# Altium PCB DevKITV3.PcbDoc (part 3 of 5) (continued)
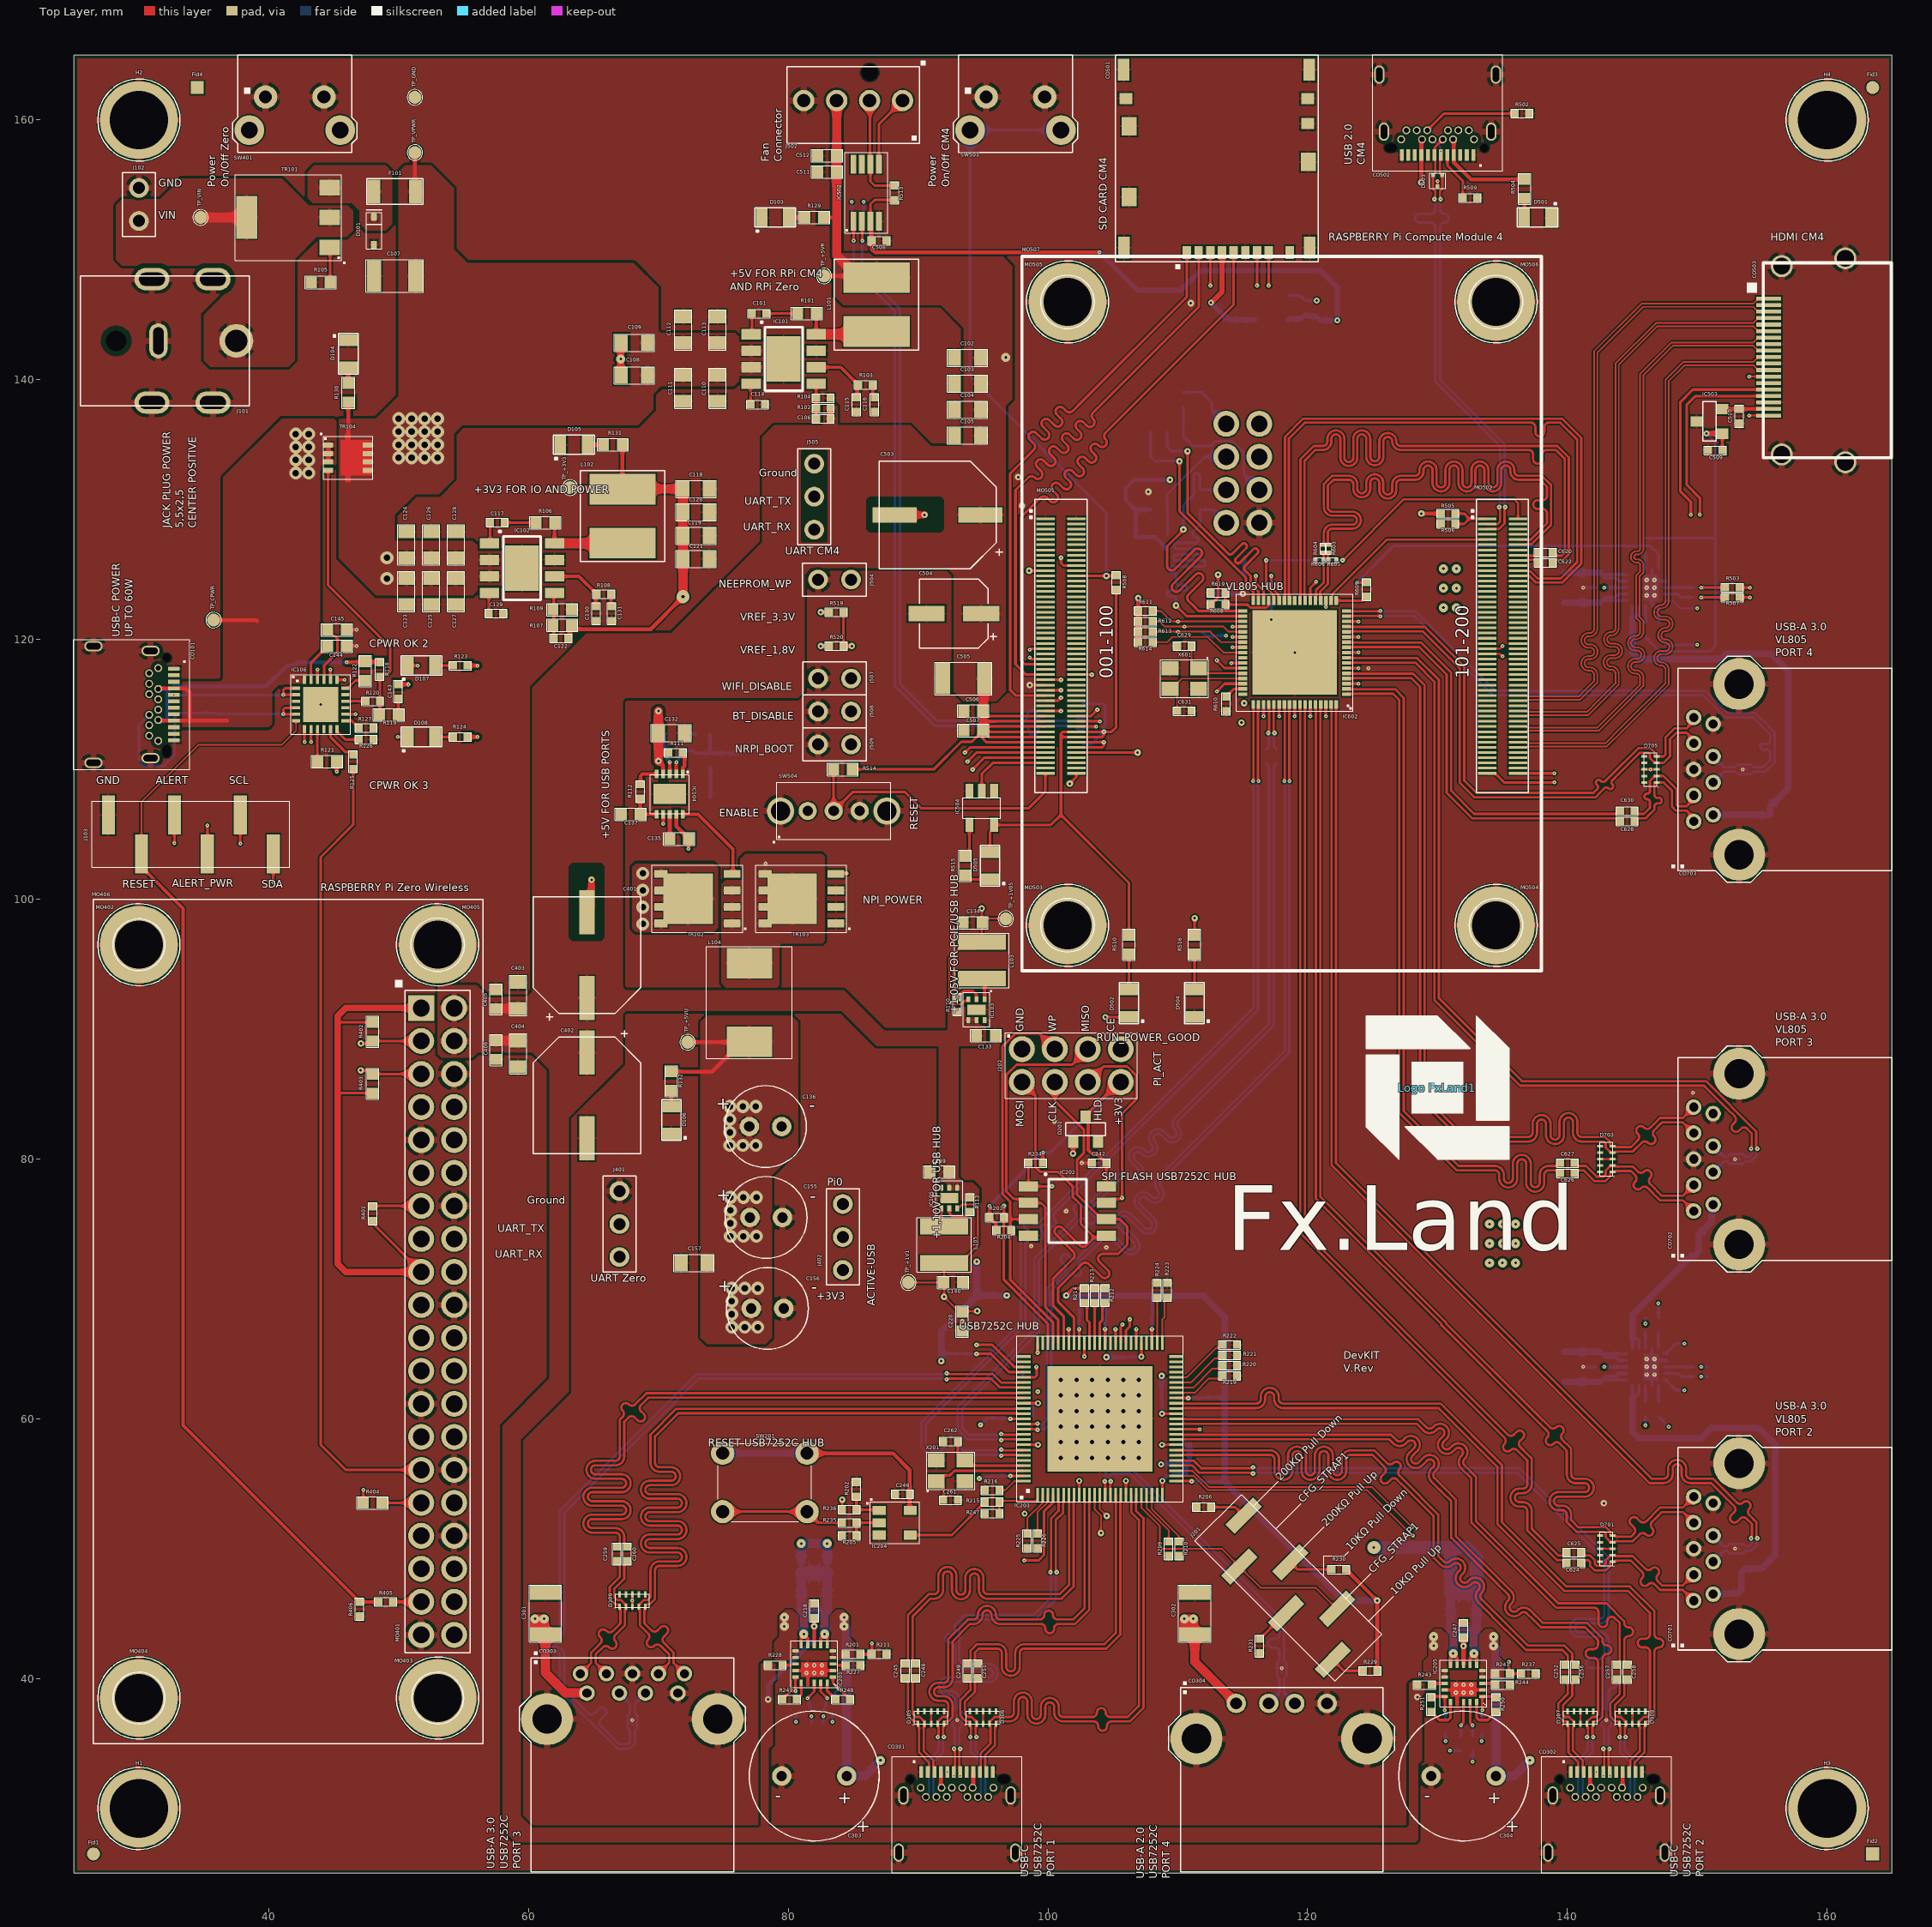
[diagram p0: Top Layer view]
## Nets (pads, with @x,y where several pads share a name; then routed paths per layer and width w, separated by ;. In a path a pad name is that pad's centre, name@x,y a point inside that pad or via, vN(x,y) a via of type N, cw(c..) or ccw(c..) an arc to the next point about the centre after c; other vN are vias at no path point) (continued)
NetIC106_11: IC106.11 R125.1 | length 2.9
  Top Layer w0.2: IC106.11@44.75,113.1 44.75,112.5 45.9,111.35 46.3,111.35 R125.1@46.5,111.15
NetIC106_12: IC106.12 R126.2 | length 2.1
  Top Layer w0.2: IC106.12@45.25,113.1 45.25,112.925 45.875,112.3 R126.2@46.95,112.3
NetIC106_13: IC106.13 R127.2 | length 1.3
  Top Layer w0.2: IC106.13@45.9,113.75 46.4,113.75 R127.2@46.95,113.2
NetIC106_16: IC106.16 R120.1 | length 1.6
  Top Layer w0.2: IC106.16@45.9,115.25 R120.1@47.45,115.25
NetIC106_18: IC106.18 R122.2 | length 1.8
  Top Layer w0.2: IC106.18@45.9,116.25 46.075,116.25 46.675,116.85 R122.2@47.425,116.85
NetIC201_13: IC201.13 R228.1 | length 1
  Top Layer w0.2: R228.1@79.55,41.025 80.15,41.025 80.225,41.1 80.525,41.1 IC201.13@80.55,41.125
NetIC201_18: IC201.18 R238.2 | length 2.4
  Top Layer w0.2: v1(81.5,38.5) 82,39 IC201.18@82,39.675
  Bottom Layer w0.2: v1(81.5,38.5) 81.5,38.473 81.6,38.373 81.6,37.85 R238.2@81.8,37.65
NetIC201_19: IC201.19 R240.2 | length 2.4
  Top Layer w0.2: IC201.19@82.5,39.675 82.5,39 v1(83,38.5)
  Bottom Layer w0.2: R240.2@82.7,37.65 82.9,37.85 82.9,38.373 83,38.473 v1(83,38.5)
NetIC203_1: IC203.1 R215.2 R247.2 | length 4.3
  Top Layer w0.127: R247.2@96.25,52.7 R215.2@96.25,53.6 96.338,53.688 99.163,53.688 99.2,53.725 IC203.1@99.2,54.15
NetIC203_63: IC203.63 R212.2 | length 3.3
  Top Layer w0.2: IC203.63@104,65.85 104,67.413 104.2,67.613 104.2,68.75 R212.2@104.4,68.95
NetIC203_64: IC203.64 R213.2 | length 3.1
  Top Layer w0.2: IC203.64@103.6,65.85 R213.2@103.6,68.95
NetIC203_65: IC203.65 R214.2 | length 3.3
  Top Layer w0.2: R214.2@102.8,68.95 103,68.75 103,67.613 103.2,67.413 IC203.65@103.2,65.85
NetIC203_100: IC203.100 R216.2 | length 2.2
  Top Layer w0.127: R216.2@96.25,54.5 96.7,54.5 97.4,55.2 IC203.100@98.15,55.2
NetIC204_1: IC204.1 R202.2 R236.1 | length 2.8
  Top Layer w0.2: R202.2@85.25,54.025 R236.1@85.25,53 86.95,53 IC204.1@87,52.95
NetIC204_2: IC204.2 R205.2 R235.1 | length 2.8
  Top Layer w0.2: R205.2@85.25,51 R235.1@85.25,52 IC204.2@87,52
NetIC204_4: IC204.4 R215.1 | length 6.8
  Top Layer w0.2: IC204.4@89.4,51.05 92.6,51.05 R215.1@95.15,53.6
NetIC205_13: IC205.13 R243.1 | length 1
  Top Layer w0.2: R243.1@129.55,39.525 129.65,39.625 IC205.13@130.55,39.625
NetIC205_18: IC205.18 R245.2 | length 2.7
  Top Layer w0.2: v1(131.8,36.4) 131.8,36.427 132,36.627 IC205.18@132,38.175
  Bottom Layer w0.2: R245.2@131.8,35.55 v1(131.8,36.4)
NetIC205_19: IC205.19 R246.2 | length 2.7
  Top Layer w0.2: IC205.19@132.5,38.175 132.5,36.627 132.7,36.427 v1(132.7,36.4)
  Bottom Layer w0.2: R246.2@132.7,35.55 v1(132.7,36.4)
NetIC502_5: IC502.5 J502.1 | length 5.7
  Top Layer w0.2: IC502.5@86.975,156.6 86.975,159.665 J502.1@88.81,161.5
NetIC502_6: IC502.6 J502.2 R513.1 | length 8.3
  Top Layer w0.2: J502.2@86.27,161.5 86.298,161.472 86.298,156.628 IC502.6@86.325,156.6 86.325,155.275 86.65,154.95 R513.1@88.2,154.95
NetIC504_4: IC504.4 R515.1 | length 2.6
  Top Layer w0.2: R515.1@93.63,103.31 93.95,103.63 IC504.4@93.95,105.73
NetIC602_18: IC602.18 R609.2 | length 2.4
  Top Layer w0.2: IC602.18@122.2,123 124.225,123 R609.2@124.525,123.3
NetIC602_31: IC602.31 R608.1 R619.2 | length 4.8
  Top Layer w0.2: R619.2@113.65,123.6 R608.1@113.65,122.7 115.332,122.7 115.577,122.455 116.823,122.455 116.96,122.592 116.96,122.96 IC602.31@117,123
NetIC602_43: IC602.43 R614.2 | length 7.6
  Top Layer w0.125: R614.2@108.05,119.8 109.175,119.8 109.575,120.2 112.3,120.2 113.5,119 IC602.43@115,119
NetIC602_50: IC602.50 R610.2 | length 1.5
  Top Layer w0.2: R610.2@113.725,115.6 114.325,116.2 IC602.50@115,116.2
NetIC603_3: IC603.3 R625.2 | length 1.3
  Bottom Layer w0.21: R625.2@146,61.3 IC603.3@146,62.55
NetIC603_13: IC603.13 R623.1 | length 1.3
  Bottom Layer w0.2: IC603.13@146,65.45 R623.1@146,66.7
NetIC603_18: IC603.18 R617.2 | length 2.3
  Bottom Layer w0.21: IC603.18@147.45,64 R617.2@149.7,64
NetIC603_19: IC603.19 R620.2 | length 2.4
  Bottom Layer w0.21: IC603.19@147.45,63.5 148.522,63.5 148.772,63.25 R620.2@149.7,63.25
NetIC604_3: IC604.3 R626.2 | length 1.3
  Bottom Layer w0.21: R626.2@146,121.3 IC604.3@146,122.55
NetIC604_13: IC604.13 R624.1 | length 1.3
  Bottom Layer w0.2: IC604.13@146,125.45 R624.1@146,126.7
NetIC604_18: IC604.18 R618.2 | length 2.3
  Bottom Layer w0.21: IC604.18@147.45,124 R618.2@149.7,124
NetIC604_19: IC604.19 R622.2 | length 2.4
  Bottom Layer w0.21: IC604.19@147.45,123.5 148.522,123.5 148.772,123.25 R622.2@149.7,123.25
NetJ201_1: J201.1 R229.1 | length 2.7
  Top Layer w0.2: J201.1@121.929,41.449 122.779,40.6 R229.1@124.25,40.6
NetJ201_3: J201.3 R231.2 | length 2.9
  Top Layer w0.2: R231.2@116.3,43.05 118.291,45.041 J201.3@118.337,45.041
NetJ201_4: J201.4 R230.2 | length 3.4
  Top Layer w0.2: J201.4@118.663,48.959 119.221,48.4 R230.2@121.85,48.4
NetJ201_6: J201.6 R206.1 | length 2.8
  Top Layer w0.2: R206.1@112.55,53.2 114.421,53.2 J201.6@115.071,52.551
NetMO401_37: MO401.37 R405.2 | length 2.2
  Top Layer w0.25: R405.2@49.55,45.9 49.555,45.905 51.731,45.905 MO401.37@51.736,45.91
NetR105_2: R105.2 TR101.1 | length 2.7
  Top Layer w0.2: TR101.1@44.7,150.2 44.725,150.175 R105.2@44.725,147.5
NetR118_1: R118.1 R119.1 R120.2 TR104.4 | length 21.4
  Top Layer w0.2: TR104.4@44.575,133.025 44.575,124.175 49.35,119.4 49.35,117.55 49.15,117.35 48.75,117.35 R118.1@48.55,117.15 R120.2@48.55,115.25 48.55,114.225 R119.1@48.525,114.2
NetR235_2: R235.2 SW201.3 SW201.4 | length 9.6
  Top Layer w0.2: SW201.3@74.95,52.85 SW201.4@81.45,52.85 82.3,52 R235.2@84.15,52
NetR503_2: R503.2 R517.1 | length 104.3
  Top Layer w0.2: R503.2@153.25,124 v1(154.05,124)
  Layer 6 w0.2: v1(85.8,153.7) 86.2,154.1 100.8,154.1 106.2,148.7 131.46,148.7 132.235,149.475 152.765,149.475 158.2,144.04 158.2,125.8 156.4,124 156.262,124 155.707,124 cw(c155.707,124.227) 155.48,124.227 155.48,125.112 ccw(c155.253,125.112) 155.026,125.112 155.026,124.227 cw(c154.799,124.227) 154.799,124 154.453,124 v1(154.05,124)
  Bottom Layer w0.2: R517.1@85.8,152.95 v1(85.8,153.7)
NetR507_2: R507.2 R518.1 | length 104.3
  Top Layer w0.2: R507.2@153.25,123.25 v1(154.05,123.25)
  Layer 6 w0.2: v1(84.9,153.7) 85.625,154.425 100.935,154.425 106.335,149.025 131.325,149.025 132.1,149.8 152.9,149.8 158.525,144.175 158.525,125.665 156.11,123.25 v1(154.05,123.25)
  Bottom Layer w0.2: R518.1@84.9,152.95 v1(84.9,153.7)
NPI_LED_PWR: IC504.2 MO501.95 | length 6.6
  Top Layer w0.2: IC504.2@94.9,108.33 94.9,109.65 95.75,110.5 MO501.95@99.81,110.5
NRPI_BOOT: J509.2 MO501.93 | length 16.1
  Top Layer w0.2: v2(94.2,110) 95.1,110.9 MO501.93@99.81,110.9
  Layer 6 w0.2: J509.2@84.835,111.92 86.755,110 v2(94.2,110)
OTG_ID: MO502.101 R505.1 R506.2 | length 3.9
  Top Layer w0.2: R506.2@131.35,128.9 132.05,128.9 132.45,129.3 ; R505.1@131.35,129.7 132.05,129.7 132.45,129.3 ; MO502.101@133.81,129.3 132.45,129.3
PCIe_CLK_N: MO502.112 R604.1 | length 48
  Top Layer w0.182: R604.1@121.175,127.275 121.211,127.275 121.245,127.309 121.245,127.369 121.245,128.194 cw(c121.899,128.194) 121.899,128.848 123.44,128.848 ccw(c123.44,129.193) 123.44,129.538 121.899,129.538 cw(c121.899,130.192) 121.245,130.192 121.245,130.438 121.245,131.982 121.561,132.298 121.872,132.609 123.166,132.609 cw(c123.166,131.955) 123.82,131.955 123.82,131.607 ccw(c124.165,131.607) 124.51,131.607 124.51,132.07 cw(c125.164,132.07) 125.818,132.07 125.818,131.511 ccw(c126.163,131.511) 126.508,131.511 126.508,131.955 cw(c127.162,131.955) 127.162,132.609 127.407,132.609 128.263,132.609 ccw(c128.263,132.954) 128.608,132.954 128.608,133.05 cw(c129.262,133.05) 129.916,133.05 129.916,132.063 ccw(c130.261,132.063) 130.606,132.063 130.606,133.05 cw(c131.26,133.05) 131.914,133.05 131.914,132.063 ccw(c132.259,132.063) 132.604,132.063 132.604,133.05 cw(c133.258,133.05) 133.912,133.05 133.912,132.063 ccw(c134.257,132.063) 134.602,132.063 134.602,133.05 cw(c135.256,133.05) 135.91,133.05 135.91,132.954 ccw(c136.255,132.954) 136.255,132.609 137.5,132.609 138.016,132.609 138.734,131.891 138.734,128.834 137.246,127.346 136.85,127.346 136.805,127.3 MO502.112@136.19,127.3
PCIe_CLK_nREQ: IC602.30 MO502.102 | length 26
  Top Layer w0.176: v2(116.8,126.1) 116.8,124 117.348,123.452 117.348,123.052 IC602.30@117.4,123 ; v2(122.7,126.1) 127.4,130.8 135.9,130.8 136.19,130.51 MO502.102@136.19,129.3
  Bottom Layer w0.176: v2(116.8,126.1) v2(122.7,126.1)
PCIe_CLK_P: MO502.110 R603.1 | length 48
  Top Layer w0.182: R603.1@121.625,127.275 121.588,127.275 121.554,127.309 121.554,127.369 121.554,128.194 cw(c121.899,128.194) 121.899,128.539 123.44,128.539 ccw(c123.44,129.193) 123.44,129.847 121.899,129.847 cw(c121.899,130.192) 121.554,130.192 121.554,130.438 121.554,131.854 121.561,131.861 122,132.3 123.166,132.3 cw(c123.166,131.955) 123.511,131.955 123.511,131.607 ccw(c124.165,131.607) 124.819,131.607 124.819,132.07 cw(c125.164,132.07) 125.509,132.07 125.509,131.511 ccw(c126.163,131.511) 126.817,131.511 126.817,131.955 cw(c127.162,131.955) 127.162,132.3 127.407,132.3 128.263,132.3 ccw(c128.263,132.954) 128.917,132.954 128.917,133.05 cw(c129.262,133.05) 129.607,133.05 129.607,132.063 ccw(c130.261,132.063) 130.915,132.063 130.915,133.05 cw(c131.26,133.05) 131.605,133.05 131.605,132.063 ccw(c132.259,132.063) 132.913,132.063 132.913,133.05 cw(c133.258,133.05) 133.603,133.05 133.603,132.063 ccw(c134.257,132.063) 134.911,132.063 134.911,133.05 cw(c135.256,133.05) 135.601,133.05 135.601,132.954 ccw(c136.255,132.954) 136.255,132.3 137.5,132.3 137.888,132.3 138.425,131.763 138.425,131.55 138.425,131.084 cw(c138.08,131.084) 138.08,130.739 137.706,130.739 ccw(c137.706,130.394) 137.706,130.049 138.08,130.049 cw(c138.08,129.704) 138.425,129.704 138.425,129.613 138.425,128.962 137.118,127.655 136.85,127.655 136.805,127.7 MO502.110@136.19,127.7
PCIe_nRST: IC602.19 MO502.109 | length 14.3
  Top Layer w0.176: IC602.19@121.8,123 121.852,123.052 121.852,123.452 126.1,127.7 ; 126.2,127.7 126.1,127.7 ; MO502.109@133.81,127.7 126.1,127.7
PCIe_RX_N: C622.1 MO502.118 | length 1.7
  Top Layer w0.182: MO502.118@136.19,126.1 136.805,126.1 136.85,126.145 137.434,126.145 137.471,126.109 137.541,126.109 C622.1@137.75,125.9
PCIe_RX_P: C620.1 MO502.116 | length 1.7
  Top Layer w0.182: MO502.116@136.19,126.5 136.805,126.5 136.851,126.454 137.434,126.454 137.471,126.491 137.541,126.491 C620.1@137.75,126.7
PCIe_SPI_CS: IC601.1 IC602.34 J601.7 | length 28.9
  Top Layer w0.2: v4(110.125,133.725) 110.125,129.875 115.25,124.75 115.25,124.226 115.8,123.676 IC602.34@115.8,123
  Layer 6 w0.2: v4(110.125,133.725) 111.005,132.845 116.777,132.845 117.495,133.563 117.495,135.385 J601.7@116.27,136.61
  Bottom Layer w0.2: IC601.1@107.9,136 107.9,134.1 108.25,133.75 110.1,133.75 v4(110.125,133.725)
PCIe_SPI_SCK: IC601.6 IC602.35 J601.4 | length 28.9
  Top Layer w0.2: v4(110.425,128.475) 110.425,128.425 109.175,127.175 109.175,126.727 109.175,125.677 ccw(c109.529,125.677) 109.779,125.426 111.259,126.907 cw(c111.51,126.656) 111.76,126.907 cw(c111.51,126.656) 111.76,126.406 109.634,124.28 ccw(c109.884,124.03) 109.634,123.779 ccw(c109.884,124.03) 110.135,123.779 111.359,125.004 cw(c111.61,124.753) 111.86,125.004 cw(c111.61,124.753) 111.86,124.503 110.829,123.472 ccw(c111.079,123.222) 110.829,122.971 111.329,122.471 111.4,122.4 111.6,122.2 IC602.35@115,122.2
  Bottom Layer w0.2: v4(110.425,128.475) 110.425,129.995 IC601.6@110.43,130 110.43,130.35 111.008,130.928 111.108,131.028 ccw(c110.834,131.302) 111.222,131.302 111.222,132.571 cw(c111.449,132.571) 111.676,132.571 111.676,131.757 ccw(c111.903,131.757) 111.903,131.53 112.435,131.53 J601.4@113.73,131.53
PCIe_SPI_SI: IC601.5 IC602.36 J601.2 | length 28.9
  Top Layer w0.2: v4(109.85,122.625) 110.675,121.8 IC602.36@115,121.8
  Bottom Layer w0.2: v4(109.85,122.625) 109.85,122.989 109.85,123.089 ccw(c109.623,123.089) 109.623,123.316 109.4,123.316 cw(c109.4,123.543) 109.4,123.77 110.459,123.77 ccw(c110.459,123.997) 110.459,124.224 110.077,124.224 cw(c110.077,124.451) 109.85,124.451 109.85,124.851 109.85,124.951 ccw(c109.623,124.951) 109.623,125.178 109.59,125.178 cw(c109.59,125.405) 109.59,125.632 111.888,125.632 ccw(c111.888,125.859) 111.888,126.086 109.899,126.086 cw(c109.899,126.313) 109.899,126.54 111.614,126.54 ccw(c111.614,126.767) 111.614,126.994 109.927,126.994 cw(c109.927,127.221) 109.927,127.448 111.35,127.448 ccw(c111.35,127.675) 111.35,127.902 cw(c111.35,128.129) 111.189,128.289 111.7,128.8 111.7,129.5 IC601.5@111.7,130 112.72,130 J601.2@113.73,128.99
PCIe_SPI_SO: IC601.2 IC602.33 J601.5 | length 28.9
  Top Layer w0.2: v4(110.75,134.5) 110.75,129.745 113.136,127.359 113.207,127.288 113.877,126.618 ccw(c114.037,126.779) 114.198,126.618 114.924,127.345 cw(c115.084,127.184) 115.245,127.345 cw(c115.084,127.184) 115.245,127.024 114.483,126.262 ccw(c114.644,126.102) 114.483,125.941 ccw(c114.644,126.102) 114.804,125.941 115.812,126.949 cw(c115.973,126.788) 116.133,126.949 cw(c115.973,126.788) 116.133,126.628 115.161,125.655 ccw(c115.321,125.495) 115.161,125.334 115.482,125.013 115.552,124.943 115.6,124.895 115.6,124.3 116.2,123.7 IC602.33@116.2,123
  Layer 6 w0.2: v4(110.75,134.5) 111.545,135.295 115.045,135.295 J601.5@116.27,134.07
  Bottom Layer w0.2: IC601.2@109.17,136 109.17,134.83 109.5,134.5 v4(110.75,134.5)
PCIe_TX_N: IC602.28 MO502.124 | length 52
  Top Layer w0.182: IC602.28@118.2,123 118.245,123.045 118.245,123.627 118.246,135.607 119.647,137.009 139.578,137.009 141.059,135.528 141.059,125.847 139.603,124.391 137.574,124.391 137.019,124.945 136.85,124.945 136.805,124.9 MO502.124@136.19,124.9
PCIe_TX_P: IC602.27 MO502.122 | length 52
  Top Layer w0.182: IC602.27@118.6,123 118.554,123.046 118.554,123.499 118.555,135.48 119.775,136.7 136.401,136.7 137.182,136.7 cw(c137.182,136.355) 137.527,136.355 137.527,135.981 ccw(c137.872,135.981) 138.217,135.981 138.217,136.355 cw(c138.562,136.355) 138.562,136.7 139,136.7 139.45,136.7 140.75,135.4 140.75,125.975 139.475,124.7 137.702,124.7 137.147,125.254 136.851,125.254 136.805,125.3 MO502.122@136.19,125.3
PCIe_WAKE: IC602.20 R607.1 | length 2.3
  Top Layer w0.2: v1(121.4,122.5) IC602.20@121.4,123
  Bottom Layer w0.2: R607.1@119.975,123.4 120.5,123.4 v1(121.4,122.5)
PCIe_XCLK_N: IC602.22 R604.2 R606.2 | length 4.1
  Top Layer w0.182: IC602.22@120.6,123 120.646,123.046 120.646,123.805 121.245,124.405 121.245,125.912 121.209,125.948 121.209,126.066 R606.2@121.175,126.1 121.209,126.134 121.209,126.252 121.245,126.288 121.245,126.691 121.211,126.725 R604.2@121.175,126.725
PCIe_XCLK_P: IC602.21 R603.2 R605.2 | length 4.1
  Top Layer w0.182: IC602.21@121,123 120.955,123.045 120.955,123.677 121.554,124.277 121.554,125.911 121.591,125.948 121.591,126.066 R605.2@121.625,126.1 121.591,126.134 121.591,126.252 121.554,126.289 121.554,126.691 121.588,126.725 R603.2@121.625,126.725
PCIe_XRX_N: C622.2 IC602.25 | length 50.4
  Top Layer w0.182: IC602.25@119.4,123 119.445,123.045 119.445,133.882 120.472,134.909 120.924,134.909 121.17,134.909 ccw(c121.17,135.254) 121.515,135.254 121.515,135.453 cw(c122.169,135.453) 122.823,135.453 122.823,134.02 ccw(c123.168,134.02) 123.513,134.02 123.513,135.453 cw(c124.167,135.453) 124.821,135.453 124.821,134.076 ccw(c125.166,134.076) 125.511,134.076 125.511,135.254 cw(c126.165,135.254) 126.819,135.254 ccw(c127.164,135.254) 127.164,134.909 130.274,134.909 139.228,134.909 140.109,134.028 140.109,126.572 139.682,126.145 139.166,126.145 139.129,126.109 139.059,126.109 C622.2@138.85,125.9
PCIe_XRX_P: C620.2 IC602.24 | length 50.4
  Top Layer w0.182: IC602.24@119.8,123 119.755,123.046 119.755,133.754 120.6,134.6 120.924,134.6 121.17,134.6 ccw(c121.17,135.254) 121.824,135.254 121.824,135.453 cw(c122.169,135.453) 122.514,135.453 122.514,134.02 ccw(c123.168,134.02) 123.822,134.02 123.822,135.453 cw(c124.167,135.453) 124.512,135.453 124.512,134.076 ccw(c125.166,134.076) 125.82,134.076 125.82,135.254 cw(c126.165,135.254) 126.51,135.254 ccw(c127.164,135.254) 127.164,134.6 130.274,134.6 136.232,134.6 137.013,134.6 cw(c137.013,134.255) 137.358,134.255 137.358,133.881 ccw(c137.703,133.881) 138.048,133.881 138.048,134.255 cw(c138.393,134.255) 138.393,134.6 139.1,134.6 139.8,133.9 139.8,126.7 139.554,126.454 139.166,126.454 139.129,126.491 139.059,126.491 C620.2@138.85,126.7
PGD: IC104.5 R112.2 | length 2
  Top Layer w0.25: R112.2@68.6,108.85 68.625,108.875 68.625,109.504 68.771,109.65 IC104.5@69.875,109.65
PHASE: C135.2 IC104.9 L104.1 TR102.1 TR102.2 TR102.3 TR103.5 TR103.6 TR103.7 TR103.8 | length 9.4
  Top Layer w0.25: v1(72.325,103.9) C135.2@72.325,104.65
  Top Layer w0.3: IC104.9@71.375,106.55 71.375,105.625 72.325,104.675 C135.2@72.325,104.65
  Layer 3 w0.25: v1(72.325,103.9) 77.1,103.9 v1(78.25,102.75)
PONRST: MO501.100 R608.2 | length 26.6
  Top Layer w0.2: v4(101.675,108.9) 102.19,109.415 MO501.100@102.19,109.7 ; R608.2@112.55,122.7 113.1,123.25 v4(113.1,125)
  Layer 3 w0.2: v4(101.675,108.9) 102.4,108.9 108.3,114.8 108.3,123.3 110,125 v4(113.1,125)
Power0: MO401.13 R401.1 SW401.3 SW401.4 | length 97
  Top Layer w0.2: R401.1@48,76.35 48.04,76.39 MO401.13@51.736,76.39
  Layer 6 w0.2: SW401.3@38.5,159.225 SW401.4@45.5,159.225 45.25,158.975 45.25,111.641 45.241,111.641 44.55,110.95 44.55,107.55 45.25,106.85 45.25,82.876 MO401.13@51.736,76.39
PowerCM4: MO501.24 R508.1 SW503.3 SW503.4 | length 48.8
  Top Layer w0.2: MO501.24@102.19,124.9 v4(104.5,124.9) 105.2,124.9 R508.1@105.25,124.95
  Bottom Layer w0.2: SW503.4@101,159.225 SW503.3@94,159.225 94,153.812 ccw(c94.96,153.75) 94,153.688 94,140.25 94.059,140.191 104.5,129.75 v4(104.5,124.9)
PRT_CTL1: IC203.60 R232.2 | length 53.9
  Top Layer w0.2: IC203.60@105.2,65.85 v2(105.2,66.9)
  Layer 3 w0.125: v1(83.4,36.677) 82.523,35.8 80.5,35.8 79.7,36.6 79.7,43.1 80.4,43.8 80.4,44.254 88.546,52.4 92.4,52.4 95.2,55.2 99.006,55.2 99.95,56.144 99.95,63.45 100.4,63.9 104.7,63.9 105.2,64.4 v2(105.2,66.9)
  Bottom Layer w0.2: v1(83.4,36.677) R232.2@83.4,37.275
PRT_CTL2: IC203.58 R239.2 | length 54.9
  Top Layer w0.2: IC203.58@106,65.85 106,66.805 106.3,67.105 v2(106.3,67.675)
  Layer 6 w0.2: v2(106.3,67.675) 106.329,67.704 106.578,67.704 106.6,67.725 116.835,67.725 136.225,48.335 136.225,38.002 v1(133.4,35.177)
  Bottom Layer w0.2: v1(133.4,35.177) R239.2@133.4,35.775
PRT_CTL3: IC203.56 R233.2 | length 50.6
  Top Layer w0.2: IC203.56@106.8,65.85 v2(106.8,66.9)
  Layer 3 w0.125: v1(80.6,36.677) 79.95,37.327 79.95,42.996 80.65,43.696 80.65,44.15 88.65,52.15 92.504,52.15 95.304,54.95 99.11,54.95 100.2,56.04 100.2,63.346 100.504,63.65 105.35,63.65 106.8,65.1 v2(106.8,66.9)
  Bottom Layer w0.2: v1(80.6,36.677) R233.2@80.6,37.275
PRT_CTL3-2: IC602.42 R615.2 | length 90
  Top Layer w0.2: v1(114.2,119.4) IC602.42@115,119.4
  Layer 3 w0.2: v1(114.2,119.4) 114.7,118.9 114.7,116 113.7,115 113.7,70.8 124.2,60.3 146.9,60.3 v1(147.8,59.4)
  Bottom Layer w0.2: R615.2@147,60.2 v1(147.8,59.4)
PRT_CTL3-3: IC602.40 R621.2 | length 85.7
  Top Layer w0.2: v1(114.2,120.2) IC602.40@115,120.2
  Layer 3 w0.2: v1(114.2,120.2) 115.025,119.375 115.025,115.865 114.025,114.865 114.025,70.935 116.06,68.9 v1(147,68.9)
  Bottom Layer w0.2: R621.2@147,67.8 v1(147,68.9)
PRT_CTL3-4: IC602.38 R616.2 | length 40.4
  Top Layer w0.2: v1(114.2,121) IC602.38@115,121
  Layer 3 w0.2: v1(114.2,121) 129.7,121 148.6,121 v1(150,119.6)
  Bottom Layer w0.2: R616.2@147,120.2 147.6,119.6 v1(150,119.6)
PRT_CTL3_U3: IC203.54
PRT_CTL4: IC203.59 R242.2 | length 56.7
  Top Layer w0.2: IC203.59@105.6,65.85 105.6,67.09 105.735,67.225 v2(105.735,67.265)
  Layer 6 w0.2: v2(105.735,67.265) 106.599,67.265 106.734,67.4 116.7,67.4 135.9,48.2 135.9,38.3 132.777,35.177 v1(130.6,35.177)
  Bottom Layer w0.2: v1(130.6,35.177) R242.2@130.6,35.775
PWR: D101.K F101.1 TR101.3
PWR_EN1: IC201.1 R232.1 R248.2 | length 3.2
  Top Layer w0.2: IC201.1@83.45,40.125 83.45,39.65 83.919,39.181 83.969,39.181 R248.2@84.75,38.4
  Bottom Layer w0.2: R232.1@83.6,38.375 83.6,38.9 v1(83.9,39.2)
PWR_EN2: IC205.1 R239.1 R250.2 | length 2.9
  Top Layer w0.2: v1@133.431,37.569 v1(133.45,37.55) IC205.1@133.45,38.625 134.425,38.625 R250.2@134.5,38.55
  Bottom Layer w0.2: R239.1@133.4,36.875 133.4,37.473 133.45,37.523 v1(133.45,37.55)
PWR_EN3: IC201.15 R233.1 R249.2 | length 3.1
  Top Layer w0.2: IC201.15@80.55,40.125 v1(80.55,39.05) v1@80.569,39.069
  Top Layer w0.21: R249.2@79.55,38.4 80.183,39.033 80.533,39.033 v1(80.55,39.05)
  Bottom Layer w0.2: v1(80.55,39.05) 80.55,39.023 80.6,38.973 R233.1@80.6,38.375
PWR_EN3-2: IC603.1 R615.1 | length 1.3
  Bottom Layer w0.21: R615.1@147,61.3 IC603.1@147,62.55
PWR_EN3-3: IC603.15 R621.1 | length 1.3
  Bottom Layer w0.21: IC603.15@147,65.45 R621.1@147,66.7
PWR_EN3-4: IC604.1 R616.1 | length 1.3
  Bottom Layer w0.21: R616.1@147,121.3 IC604.1@147,122.55
PWR_EN4: IC205.15 R242.1 R251.2 | length 2.9
  Top Layer w0.2: R251.2@129.5,38.55 129.575,38.625 IC205.15@130.55,38.625 v1(130.55,37.55) v1@130.569,37.569
  Bottom Layer w0.2: v1(130.55,37.55) 130.55,37.523 130.6,37.473 R242.1@130.6,36.875
RESET_PWR: IC106.6 J103.5 R405.1 R406.2 | length 84.9
  Top Layer w0.127: J103.5@30.19,103.5 30.19,107.49 34.6,111.9 41,111.9 42.1,113 IC106.6@42.1,113.75
  Top Layer w0.25: J103.5@30.19,103.5 30.19,102.5 33.4,99.29 33.4,59.5 R406.2@47,45.9 R405.1@48.45,45.9
RUN_PG: MO501.92 R516.1 | length 20.6
  Top Layer w0.2: MO501.92@102.19,111.3 v4(106.9,111.3) ; R516.1@111.275,97.225 111.3,97.25 v4(111.3,98.55)
  Layer 3 w0.2: v4(106.9,111.3) 111.275,106.925 111.275,98.575 v4(111.3,98.55)
SD_CLK: CO501.5 MO501.57 | length 47.4
  Top Layer w0.2: MO501.57@99.81,118.1 98.2,118.1 97.9,118.4 97.9,129.4 98.85,130.35 99.421,130.921 cw(c99.672,130.671) 99.922,130.921 100.168,130.675 ccw(c100.419,130.925) 100.669,130.675 ccw(c100.419,130.925) 100.669,131.176 100.375,131.47 cw(c100.625,131.72) 100.375,131.97 cw(c100.625,131.72) 100.875,131.97 101.169,131.676 ccw(c101.42,131.927) 101.67,131.676 ccw(c101.42,131.927) 101.67,132.177 101.376,132.471 cw(c101.626,132.721) 101.376,132.972 cw(c101.626,132.721) 101.877,132.972 102.171,132.678 ccw(c102.421,132.928) 102.671,132.678 ccw(c102.421,132.928) 102.671,133.178 102.377,133.472 cw(c102.628,133.723) 102.377,133.973 cw(c102.628,133.723) 102.878,133.973 103.115,133.736 ccw(c103.366,133.986) 103.616,133.736 ccw(c103.366,133.986) 103.616,134.236 103.379,134.474 cw(c103.629,134.724) 103.379,134.974 cw(c103.629,134.724) 103.879,134.974 103.927,134.926 ccw(c104.177,135.177) 104.428,134.926 ccw(c104.177,135.177) 104.428,135.427 cw(c104.678,135.677) 104.428,135.928 107.857,139.357 114.3,145.8 CO501.5@114.3,149.8
SD_CMD: CO501.3 MO501.62 | length 45.9
  Top Layer w0.2: MO501.62@102.19,117.3 v2(103.38,117.3) ; v2(112.5,147.25) CO501.3@112.5,149.8
  Layer 6 w0.2: v2(103.38,117.3) 103.38,129.64 117.7,143.96 117.7,147.8 117.3,148.2 113.45,148.2 v2(112.5,147.25)
SD_DAT0: CO501.7 MO501.63 | length 45.2
  Top Layer w0.2: MO501.63@99.81,116.9 v2(101,116.9) ; v2(116.1,147.25) CO501.7@116.1,149.8
  Layer 6 w0.2: v2(101,116.9) 101,117.4 101,117.5 ccw(c100.646,117.5) 100.646,117.854 99.715,117.854 cw(c99.715,118.208) 99.715,118.562 100.744,118.562 ccw(c100.744,118.916) 100.744,119.27 100.078,119.27 cw(c100.078,119.624) 100.078,119.978 100.646,119.978 ccw(c100.646,120.332) 101,120.332 101,121.246 101,125.3 101.9,126.2 101.9,130.9 116.1,145.1 v2(116.1,147.25)
SD_DAT1: CO501.8 MO501.67 | length 45.2
  Top Layer w0.2: MO501.67@99.81,116.1 v2(101,116.1) ; v2(117,147.25) CO501.8@117,149.8
  Layer 6 w0.2: v2(101,116.1) 101.781,116.881 101.8,116.9 101.8,117.689 cw(c102.154,117.689) 102.154,118.043 102.337,118.043 ccw(c102.337,118.397) 102.337,118.751 102.05,118.751 cw(c102.05,119.105) 102.05,119.459 102.337,119.459 ccw(c102.337,119.813) 102.337,120.167 102.05,120.167 cw(c102.05,120.521) 102.05,120.875 102.185,120.875 ccw(c102.185,121.229) 102.185,121.583 102.154,121.583 cw(c102.154,121.937) 101.8,121.937 101.8,122.864 101.8,124.8 102.7,125.7 102.7,130.3 117,144.6 v2(117,147.25)
SD_DAT2: CO501.1 MO501.69 | length 47.4
  Top Layer w0.2: MO501.69@99.81,115.7 97.5,115.7 97.1,116.1 97.1,132.8 98.827,134.527 98.897,134.597 ccw(c98.647,134.848) 98.897,135.098 98.608,135.388 cw(c98.858,135.638) 98.608,135.889 cw(c98.858,135.638) 99.108,135.889 99.498,135.498 ccw(c99.749,135.749) 99.999,135.498 ccw(c99.749,135.749) 99.999,135.999 99.609,136.389 cw(c99.859,136.639) 99.609,136.89 cw(c99.859,136.639) 100.11,136.89 100.5,136.5 ccw(c100.75,136.75) 101,136.5 ccw(c100.75,136.75) 101,137 100.69,137.311 cw(c100.94,137.561) 100.69,137.812 cw(c100.94,137.561) 101.19,137.812 101.401,137.601 ccw(c101.651,137.852) 101.901,137.601 102.559,138.259 110.7,146.4 CO501.1@110.7,149.8
SD_DAT3: CO501.2 MO501.61 | length 47.4
  Top Layer w0.2: MO501.61@99.81,117.3 98.3,117.3 97.5,118.1 97.5,131.5 97.9,131.9 98.471,132.471 cw(c98.722,132.221) 98.972,132.471 98.974,132.47 ccw(c99.224,132.72) 99.474,132.47 ccw(c99.224,132.72) 99.474,132.97 99.177,133.268 cw(c99.427,133.518) 99.177,133.768 cw(c99.427,133.518) 99.678,133.768 99.975,133.471 ccw(c100.225,133.721) 100.475,133.471 ccw(c100.225,133.721) 100.475,133.972 100.178,134.269 cw(c100.428,134.519) 100.178,134.77 cw(c100.428,134.519) 100.679,134.77 100.976,134.472 ccw(c101.226,134.723) 101.477,134.472 ccw(c101.226,134.723) 101.477,134.973 101.179,135.27 cw(c101.43,135.521) 101.179,135.771 cw(c101.43,135.521) 101.68,135.771 101.969,135.482 ccw(c102.22,135.732) 102.47,135.482 ccw(c102.22,135.732) 102.47,135.982 102.226,136.226 cw(c102.476,136.476) 102.226,136.727 cw(c102.476,136.476) 102.727,136.727 102.977,136.476 ccw(c103.227,136.727) 103.478,136.476 ccw(c103.227,136.727) 103.478,136.977 cw(c103.728,137.227) 103.478,137.478 104.844,138.844 111.6,145.6 CO501.2@111.6,149.8
SD_ON: IC501.4 MO501.75 R501.2 | length 44.3
  Top Layer w0.2: MO501.75@99.81,114.5 v2(101,114.5)
  Layer 3 w0.2: v2(101,114.5) 102.65,114.5 105.65,117.5 105.65,131.05 v7(120.7,146.1)
  Bottom Layer w0.2: IC501.4@118.5,146.5 119.4,146.5 R501.2@119.8,146.1 v7(120.7,146.1)
SPI_CEN_U7252: IC202.1 IC203.69 J202.7 R234.1 | length 29.4
  Top Layer w0.176: IC202.1@98.5,77.9 R234.1@98.5,79.7
  Top Layer w0.2: IC202.1@98.5,77.9 v2(100.3,77.9) ; IC203.69@101.6,65.85 v2(101.6,66.9)
  Layer 3 w0.2: v2(100.3,77.9) 100.3,80.4 104.295,84.395 104.295,87.155 J202.7@105.61,88.47
  Layer 6 w0.2: v2(100.3,77.9) 100.3,72.2 102.1,70.4 102.1,68.4 101.6,67.9 v2(101.6,66.9)
SPI_CLK_U7252: IC202.6 IC203.68 J202.4 | length 30.5
  Top Layer w0.2: J202.4@100.53,85.93 100.53,84.47 102.775,82.225 102.775,80.475 102.225,79.925 102.225,77.295 104.153,75.367 104.503,75.367 IC202.6@104.5,75.37 105.53,75.37 106.1,74.8 106.1,73.4 105.4,72.7 105.095,72.7 104.211,72.7 ccw(c104.211,72.346) 103.961,72.096 104.619,71.438 cw(c104.368,71.188) 104.619,70.938 cw(c104.368,71.188) 104.118,70.938 103.128,71.927 ccw(c102.878,71.677) 102.627,71.927 102.056,71.356 100.8,70.1 100.8,69 102,67.8 IC203.68@102,65.85
SPI_HLD_U7252: IC202.7 IC203.73 J202.6 R203.1 | length 38.4
  Top Layer w0.2: v2(96.6,76.4) 96.6,70.7 100,67.3 IC203.73@100,65.85 ; J202.6@103.07,85.93 104.27,87.13 106.107,87.13 106.81,86.427 106.81,84.61 105.7,83.5 v2(105.7,77) 105.659,77 105.589,76.93 104.8,76.93 IC202.7@104.5,76.63
  Layer 6 w0.2: v2(96.6,76.4) 98.8,78.6 104.1,78.6 v2(105.7,77)
SPI_HOLD: IC601.7 J601.6 R602.2 | length 8.9
  Bottom Layer w0.2: R602.2@109.2,128.05 109.2,129.97 IC601.7@109.17,130 109.17,131.17 112.07,134.07 J601.6@113.73,134.07
SPI_MISO_U7252: IC202.2 IC203.71 J202.5 | length 30.5
  Top Layer w0.2: IC203.71@100.8,65.85 100.8,67.6 99.8,68.6 99.8,76.3 99.47,76.63 IC202.2@98.5,76.63 98.2,76.93 97.37,76.93 96.79,77.51 96.79,86.483 97.577,87.27 101.87,87.27 J202.5@103.07,88.47